# KiCad board solar-module-1u-si.kicad_pcb (continued)
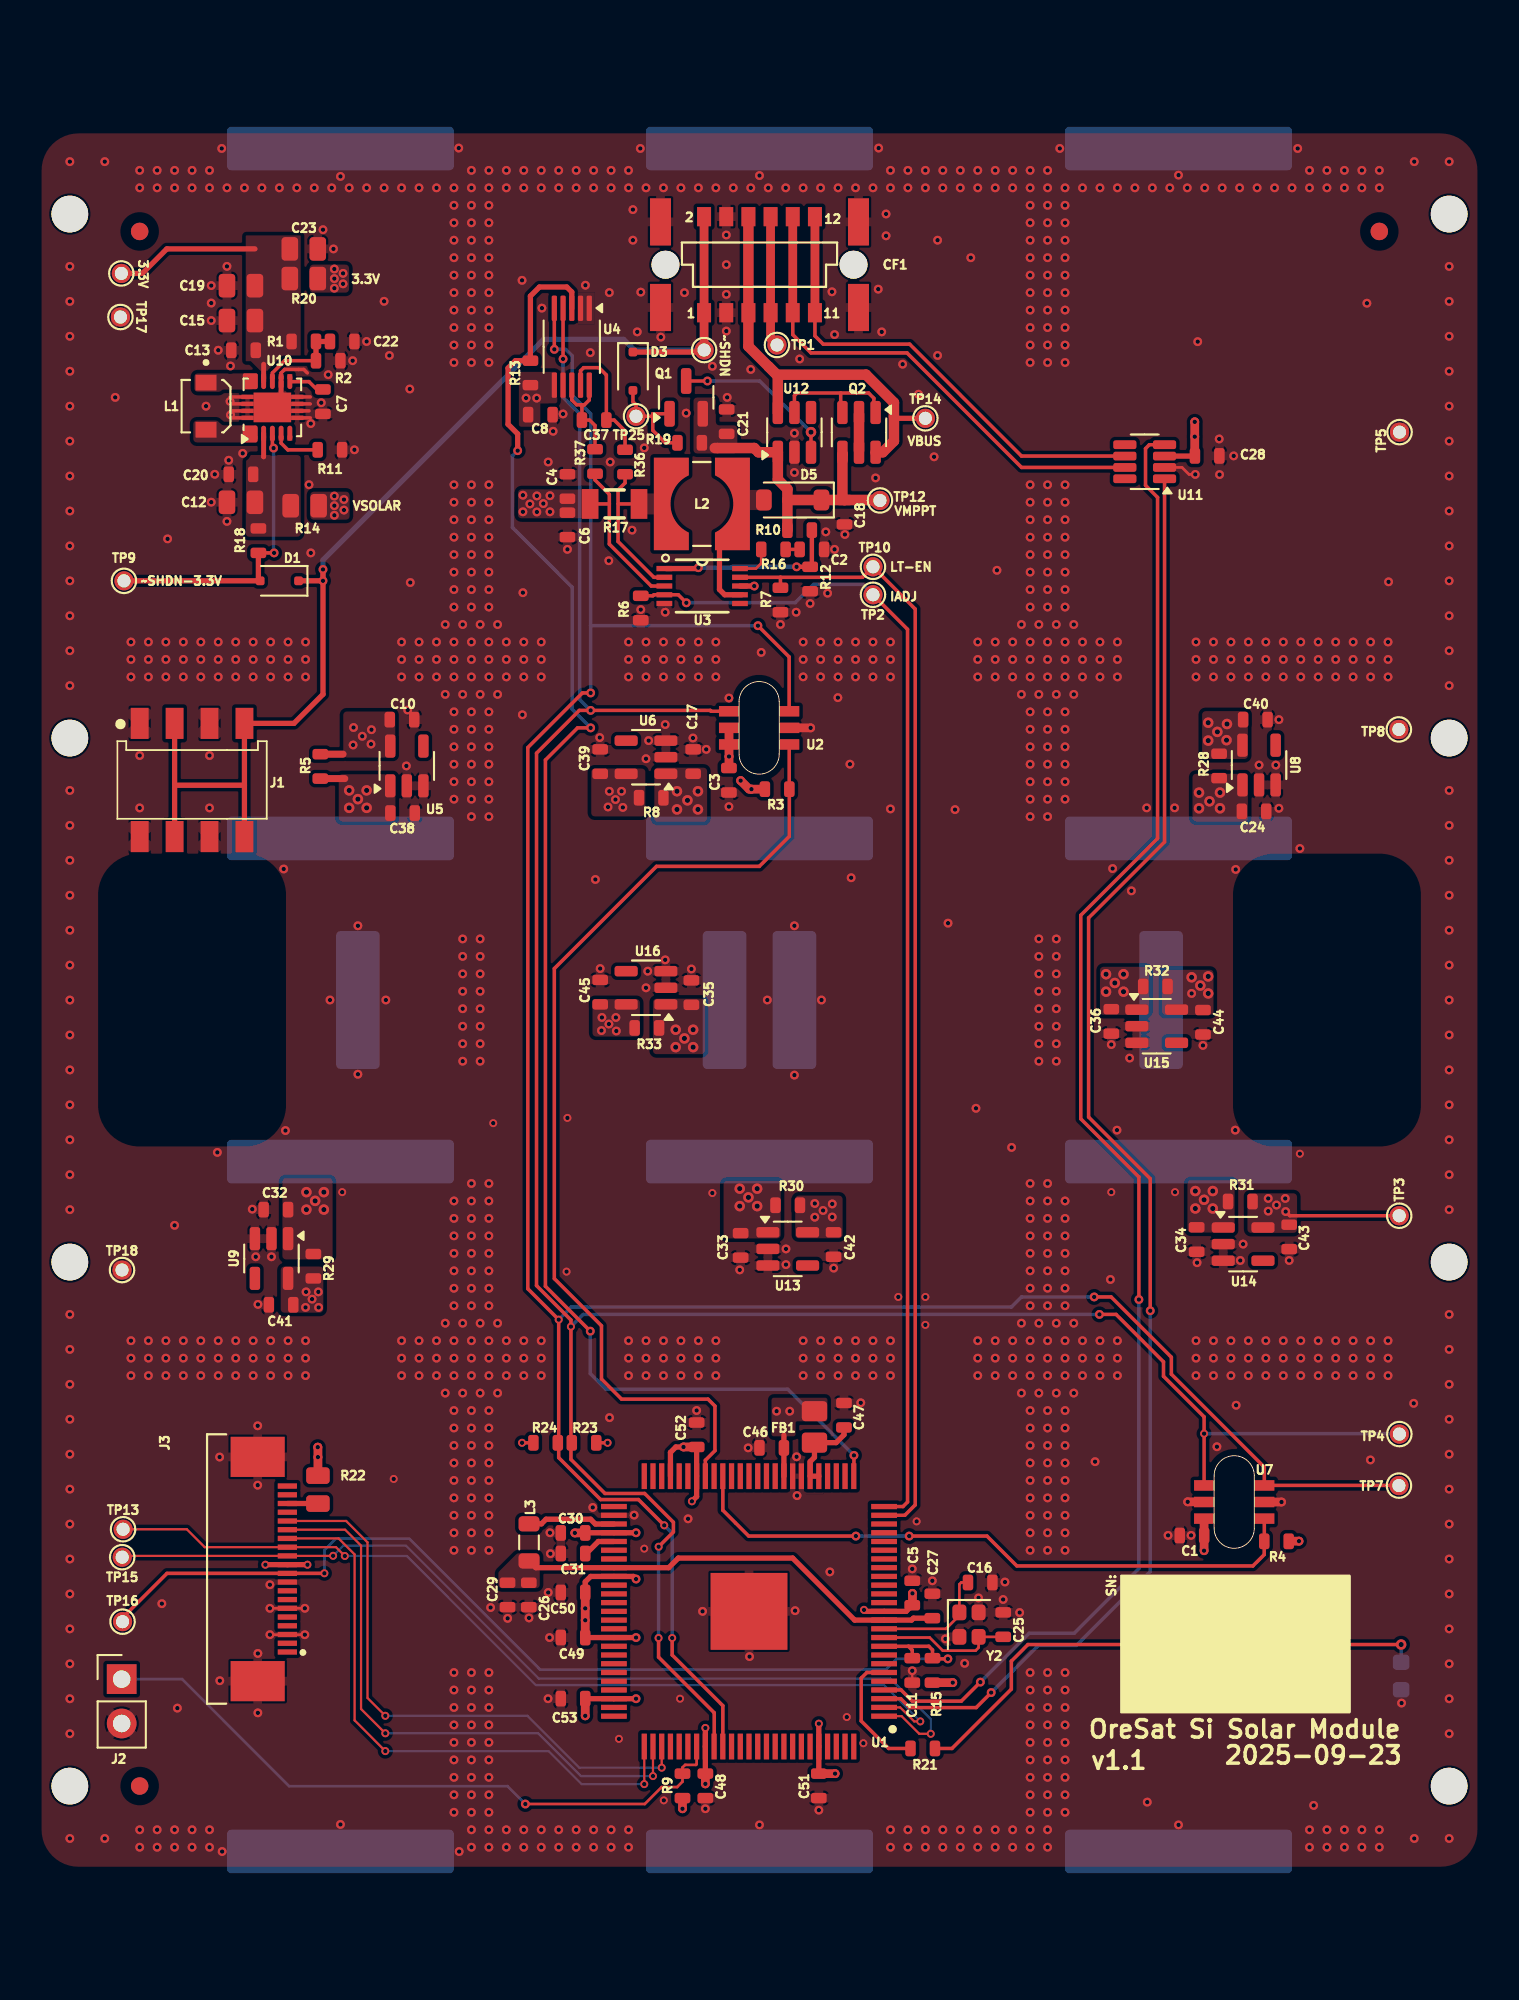
[diagram p0: board, top side]
## Routing (per net, layer and track width the routed paths; a pad name or vN(x,y) marks a point on that pad's centre or on a via; arc(x,y) is an arc through that point) (continued)
/MPPT and Power/TPS-VOUT-3.3V: length 9.2
  Top w0.28: U10.9 13.1,86.4
  Top w0.3: TP6.1 6.15,91.6 7.55,93 12.6,93
/MPPT and Power/VMPPT: length 16.4
  Top w0.6: C18.1 D5.1 43.1,78.63 43.1,78.62 ; C18.1 47.97,78.63 48,78.6 TP12.1 ; C18.1 46.25,78.75 46.25,81.23 46.27,81.25 ; C18.1 46.4,78.66 ; 38.94,81.6 41.2,81.6 41.44,81.36 U12.1 42.55,79.8 43.1,79.25 43.1,78.62 ; R10.2 43.1,78.62
/MPPT and Power/~{SHDN-3.3V}: length 17.1
  Top w0.2: v1(13.67,81.6) 13.6,81.67 U10.3 ; v1(13.7,75.6) R18.1
  Top w0.3: TP9.1 12.8,74 R18.1
  Bottom w0.2: v1(13.7,75.6) 13.67,75.63 v1(13.67,81.6)
/MPPT and Power/~{SHDN-OUPUT}: length 6.1
  Top w0.2: R19.1 36.1,81.9 35.39,82.61 35.39,83.42 ; 35.39,83.42 TP25.1 34.43,84.07 34.25,84.25 D3.2 ; 35.39,83.42 35.39,83.56 35.39,83.57 Q1.1
/MPPT and Power/~{SHUTDOWN}: length 70.9
  Top w0.2: 8.05,62.25 8,62.2 ; 8.05,62.25 8.1,62.3 ; 8.05,62.25 8,62.3
  Top w0.3: 8,62.2 J1.2B ; J1.2A 8,62.3 ; D3.1 38.22,87.1 TP11.1 ; J1.4B 12,62.3 ; 12,62.3 8.1,62.3 ; 12,62.3 J1.4A 14.84,65.84 16.5,67.5 16.5,74 15.2,74 ; v1(16.5,74.65) v1(16.5,74)
  Top w0.5: 38.32,87.2 TP11.1 38.33,87.22 CF1.1 CF1.2
  Bottom w0.3: v1(16.5,74) v1(16.5,74.65) 16.5,75.19 29.13,87.82 33.72,87.82 34.33,87.21 TP11.1
CANH: length 28.9
  Top w0.2: U11.7 56.51,80.49 49.95,87.05 44.45,87.05 43.41,88.09 CF1.9
  Top w0.5: CF1.10 CF1.9
CANL: length 27.4
  Top w0.2: CF1.11 44.67,88.03 45.15,87.55 50.1,87.55 56.51,81.14 U11.6
  Top w0.5: CF1.12 CF1.11
INA226-nALERT: length 89.4
  Top w0.2: U1.26 46.91,22.75 v1(46.91,23.93) ; v1(31.81,31.04) 29.24,33.61 29.24,63.74 31.08,65.58 v1(31.83,65.58)
  Top w0.3: v1(27.65,81.45) 27.65,82.41 27.1,82.96 27.1,86.18 27.52,86.6 R13.1 28.38,90.3 28.9,90.82 30.46,90.82 30.75,90.53 U4.3
  Bottom w0.2: v1(27.65,81.45) 27.35,81.15 27.35,77.05 30.77,73.63 30.77,66.64 v1(31.83,65.58) ; v1(46.91,23.93) 43.12,27.72 32.7,27.72 31.81,28.61 v1(31.81,31.04)
ISP-UART_RXD: length 54.6
  Top w0.127: U1.1 49.64,9 50.65,7.99 v3(51.31,7.99) ; TP15.1 5.07,18.18 J3.12 17.07,18.18 v3(17.08,18.18)
  Bottom w0.127: v3(17.08,18.18) 17.66,18.76 21.25,18.76 28.86,11.15 48.99,11.15 51.31,8.83 v3(51.31,7.99)
ISP-UART_TXD: length 52.6
  Top w0.127: U1.2 49.56,9.5 50.36,8.7 v3(50.71,8.7) ; v3(17.75,18.17) 17.24,18.68 J3.13 9.72,18.68 8.7,19.7 TP13.1
  Bottom w0.127: v3(50.71,8.7) 48.63,10.78 28.69,10.78 21.3,18.17 v3(17.75,18.17)
LT1618-ENABLE: length 65.2
  Top w0.2: R7.1 42.7,74.2 ; 42.7,74.2 47.4,74.2 TP10.1 50.42,72.38 50.42,21.1 49.82,20.5 U1.24 ; 42.7,74.2 U3.9
LT1618-IADJ: length 68.4
  Top w0.2: v1(37.31,72.74) 36.85,73.2 U3.4 35.45,73.2 35.39,73.14 R6.1 ; TP2.1 49.98,71.22 49.98,21.26 49.72,21 U1.25
  Bottom w0.2: TP2.1 47.4,73.8 44.6,73.8 43.55,72.75 41.97,72.75 41.96,72.76 41.54,72.76 41.53,72.75 37.32,72.75 v1(37.31,72.74)
SCL: length 160.8
  Top w0.2: v3(36.04,19.93) 34.57,21.4 32.4,21.4 30,23.8 v3(30,31.7) 28.23,33.47 28.23,64.45 31.36,67.58 v1(31.83,67.58) ; U1.85 39.4,9.6 36.5,12.5 v3(36.5,13.48) ; v1(29.75,87.25) U4.5 ; v1(41.41,71.43) 43.2,69.64 43.2,66.54 U2.1 ; v1(60.67,33) 61.64,33 65.09,29.55 65.09,28.58 70.41,23.26 U7.1 78.11,22.21 TP7.1
  Bottom w0.2: v3(36.5,13.48) 36.5,19.47 v3(36.04,19.93) ; 31.83,71.43 31.83,83.56 30.77,84.62 30.77,86.88 30.4,87.25 v1(29.75,87.25) ; 31.83,71.43 v1(41.41,71.43) ; 31.83,71.43 v1(31.83,67.58) ; v1(60.67,33) 56.51,33 55.93,32.42 30.72,32.42 v3(30,31.7)
SDA: length 153.4
  Top w0.2: U2.6 38.73,66.53 38.68,66.58 v1(31.83,66.58) 31.18,66.58 28.73,64.13 28.73,33.65 30.7,31.68 v3(30.7,31.3) 30.7,23.7 32.65,21.75 34.92,21.75 36.57,20.1 36.57,19.55 v3(35.72,18.7) ; v1(30.25,86.7) U4.4 ; U7.6 66.96,26.14 64.64,28.46 64.64,29.29 61.92,32 v1(60.97,32) ; v3(35.72,13.48) 35.72,12.38 38.91,9.19 38.91,7.28 U1.84
  Bottom w0.2: v3(35.72,13.48) 35.72,18.7 v3(35.72,18.7) ; v1(30.25,86.7) 30.25,84.5 31.2,83.55 31.2,67.21 v1(31.83,66.58) ; v3(66.96,25.18) 78.12,25.18 TP4.1 ; v3(30.7,31.3) 31.4,32 v1(60.97,32)
VSOLAR: length 18.3
  Top w0.2: U3.3 35.3,73.7 32.9,76.1 32.9,78.4 ; 32.9,78.4 32.9,78.95 32.08,79.77 R37.2 ; 32.9,78.4 R17.1 ; TP3.1 71.87,37.65 v1(71.64,37.89)
  Top w0.3: v1(41.2,73.7) U3.8
  Top w0.4: R5.2 17.65,64.08
  vias: v1(15.53,33.29) v1(15.5,32.4) v1(15.87,32.88) v1(16.23,33.29) v1(16.25,32.4) v1(17.15,78.85) v1(17.15,78.3) v1(17.15,77.75) v1(17.7,78.65) v1(17.7,78.05) v1(18.25,65.6) v1(18.22,64.6) v1(18.75,65.1) v1(19.25,64.65) v1(19.27,65.48) v1(27.95,78.9) v1(27.95,77.95) v1(28.35,78.4) v1(28.75,78.86) v1(28.75,77.94) v1(29.12,78.42) v1(29.5,78.87) v1(29.5,77.95) v1(32.45,48.25) v1(32.47,49) v1(32.82,61.05) v1(32.9,61.95) v1(32.87,48.63) v1(33.25,61.48) v1(33.27,49) v1(33.3,48.23) v1(33.6,61.95) v1(33.67,61.03) v1(44.67,38.35) v1(44.67,37.57) v1(45.14,37.95) v1(45.67,38.33) v1(45.67,37.58) v1(66.25,50.38) v1(70.64,38.64) v1(70.64,37.92) v1(71.11,38.27) v1(71.61,38.64) v2(66.25,51.3) v2(66.75,50.83) v2(67.2,65.88) v2(67.2,64.85) v2(67.2,51.35) v2(67.2,50.38) v2(67.72,65.35) v2(68.25,64.88) v2(68.27,65.8)
Net-(C2-Pad1): length 0.8
  Top w0.2: R16.1 C2.1
Net-(CF1-AUX-Pad7): length 7.5
  Top w0.2: TP1.1 42.14,87.87
  Top w0.5: 42.14,87.87 CF1.7 CF1.8
Net-(D2-A1): length 1.5
  Top w0.4: 17.75,62.68 R5.1 ; 20.4,60.7 20.35,60.75
  vias: v2(18,62) v2(18,61) v2(18.5,61.5) v2(19,62) v2(19,61)
Net-(D4-A): length 31
  Top w0.2: v2(78.25,13.1) 56.87,13.1 55.92,12.15 55.92,10.55 52.52,7.15 R21.2
  Bottom w0.2: v2(78.25,13.1) 78.25,12.18
Net-(D5-A): length 5.7
  Top w0.3: 40.49,73.2 39.51,73.2 39.21,73.5 39.21,76.65 40.02,77.46
Net-(D7-A1):
  vias: v2(36.77,61.95) v2(36.77,60.91) v2(37.37,61.43) v2(37.97,61.95) v2(37.97,60.91)
Net-(D8-A1):
  vias: v2(66.67,61.88) v2(66.67,60.98) v2(67.27,61.38) v2(67.87,61.88) v2(67.87,60.98)
Net-(D9-A1):
  vias: v2(15.55,39) v2(15.55,38) v2(16.05,38.5) v2(16.55,39) v2(16.55,38)
Net-(D10-A1): length 0.1
  Bottom w0.152: v2(40.87,38.7) 40.82,38.75
  vias: v2(40.37,39.2) v2(40.37,38.2) v2(41.37,39.2) v2(41.37,38.2)
Net-(D11-A1):
  vias: v2(66.46,39.07) v2(66.46,38.07) v2(66.96,38.57) v2(67.46,39.07) v2(67.46,38.07)
Net-(D12-A1):
  vias: v2(61.35,51.48) v2(61.35,50.48) v2(61.85,50.98) v2(62.35,51.48) v2(62.35,50.48)
Net-(D13-A1):
  vias: v2(36.7,48.3) v2(36.7,47.3) v2(37.2,47.8) v2(37.7,48.3) v2(37.7,47.3)
Net-(J2-Pin_1): length 38.3
  Top w0.152: U1.82 37.9,6.25 37.86,6.21 37.24,6.21 37.09,6.06 R9.1 37.09,5.25 36.78,4.94 35.9,4.94 34.93,3.97 v1(28.09,3.97)
  Bottom w0.152: J2.1 8.43,11.12 14.56,4.99 27.07,4.99 v1(28.09,3.97)
Net-(J3-DEBUG-1): length 1.8
  Top w0.3: J3.18 16.2,21.18 R22.1
Net-(Q1-D): length 9.4
  Top w0.2: v1(38.52,85.44) 37.4,85.44 ; v2(44.45,82.51) 44.45,82.35 44.45,82.35 U12.3
  Bottom w0.2: v2(44.45,82.51) 44.44,82.51 41.51,85.44 v1(38.52,85.44)
Net-(Q2A-G): length 7.9
  Top w0.2: 48.05,83.64 48.05,84.45 47.75,84.75 46.15,84.75 ; U12.5 43.5,84.61 43.65,84.75 46.15,84.75 ; 46.15,83.64 46.15,84.75 ; 43.45,83.35 43.45,83.64
Net-(Q2A-S): length 2.1
  Top w0.6: 47.2,81.46 47.2,83.54
Net-(U1A-DCDC_LX): length 5.1
  Top w0.3: U1.53 32.1,20 31.82,20.28 29.27,20.28 29.01,20.01 L3.2
Net-(U1C-P1_13): length 7.4
  Top w0.2: U1.6 47.65,11.5 47.32,11.18 47.32,8.73 48.9,7.15 R21.1
Net-(U1C-P1_30): length 7.8
  Top w0.152: U1.10 51.25,13.5 52,12.75 53.87,12.75 54.05,12.93 Y2.3 C25.1
Net-(U1C-P1_31): length 6.9
  Top w0.152: U1.11 52.18,14 52.95,14.77 Y2.1 52.95,16.55 53.05,16.66 C16.1
Net-(U3-FB): length 10.5
  Top w0.25: R10.1 44.5,74.9 R12.2 v1(43.62,74.8)
  Top w0.3: 38.05,74.75 38,74.7 36.15,74.7
  Bottom w0.25: v1(38,74.75) 39.9,74.75 39.95,74.8 v1(43.62,74.8)
Net-(U3-ISN): length 8.7
  Top w0.2: R36.1 33.8,79.6 33.4,79.2 33.4,76.25 35.45,74.2 U3.2 ; R17.2 33.4,78.4
Net-(U3-VC): length 2.1
  Top w0.152: U3.10 41.3,74.7 41.6,75 R16.2
Net-(U4-Vbus): length 6.1
  Top w0.2: 31.25,84.08 31.47,84.08 31.75,84.35 U4.10 ; 31.25,84.08 31.02,84.08 30.75,84.35 U4.8 ; 31.25,84.08 31.33,84 C37.1 31.77,83.2 32.08,82.89 R37.1
Net-(U4-Vin-): length 7.5
  Top w0.2: R36.2 33.8,82.58 33.18,83.2 C37.2 32.73,85.78 32.31,86.2 31.43,86.2 31.25,86.02 U4.9
Net-(U10-FB): length 5.2
  Top w0.2: U10.8 13.6,85.9 14.3,86.6 R2.2
  Top w0.3: C22.1 R1.1 R2.2
Net-(U10-PS/SYNC): length 2.8
  Top w0.2: U10.4 14.1,81.88 14.48,81.5 16.19,81.5 R11.2
Net-(U10-VAUX): length 1.7
  Top w0.2: 16.1,85 15.7,85.41 U10.6
Net-(U10-VIN): length 1.8
  Top w0.2: 12.8,78.4 12.7,78.5
  Top w0.28: 12.5,78.6 C12.1 ; 13.1,81.1 13.1,81.1 U10.2 ; 14.8,78.45 R14.1
Net-(U11-RXD): length 86.8
  Top w0.2: v1(63.23,32.85) 63.23,39.87 59.9,43.2 59.9,54.85 64.3,59.25 64.3,78.78 63.61,79.47 63.61,81.57 63.83,81.79 U11.4 ; U1.4 49.61,10.5 50.25,9.86 53.06,9.86 v1(54.15,10.95)
  Bottom w0.2: v1(54.15,10.95) 56.95,13.75 59.53,13.75 63.23,17.45 v1(63.23,32.85)
Net-(U11-TXD): length 84.5
  Top w0.2: v1(54.77,10.35) 53.91,9.49 50.1,9.49 49.59,10 U1.3 ; v1(63.88,32.21) 63.88,39.77 60.35,43.3 60.35,54.7 64.7,59.05 U11.1
  Bottom w0.2: v1(63.88,32.21) 63.88,17.28 59.65,13.05 57.47,13.05 v1(54.77,10.35)

## Copper pours and planes (outline as drawn; the poured copper is in the pictures)
+3.3V on Top: 45.39,27.23 45.39,25.88 43.63,25.88 43.57,25.82 43.57,25.03 43.56,25.02 42.19,25.02 42.19,27.29 42.13,27.23
+3.3V on Top: 27.72,85.96 29.92,85.96 29.92,84.15 28.95,84.15 28.95,82.82 27.72,82.82
+3.3V on Top: 17.99,90.5 15.74,90.5 15.74,92.1 17.99,92.1
+3.3V on In2.Cu: 4.02,3.54 4.02,95.61 78.97,95.61 78.97,3.54
GND on Top: 44.16,23.71 45.16,23.71 45.16,21.71 44.16,21.71
GND on Top, Bottom: 31.1,90.52 32.07,90.52 32.07,88.69 31.1,88.69
GND on Top, Bottom, In1.Cu, In2.Cu: 83,100 83,0 0,0 0,100
VDD_CORE on Top: 28.91,16.33 26.54,16.33 26.54,17.25 27.62,18.33 28.91,18.33
/MPPT and Power/TPS-VOUT-3.3V on Top: 15.23,86.02 12.92,86.02 12.37,86.57 12.07,86.57 12.07,93.78 15.23,93.78
/MPPT and Power/VMPPT on Top: 37.72,84.49 39,84.49 39,82.9 40.23,82.9 40.23,81.29 37.72,81.29
VSOLAR on Top, Bottom, In2.Cu: 18.02,77.5 15.77,77.5 15.77,79.11 18.02,79.11
VSOLAR on Top, Bottom, In2.Cu: 32.26,77.58 27.66,77.58 27.67,79.24 32.26,79.23
VSOLAR on Top, In2.Cu: 64.55,51.73 67.5,51.73 67.5,49.14 64.55,49.14
VSOLAR on Top, In2.Cu: 69.45,38.94 72.29,38.94 72.29,36.67 69.45,36.67
VSOLAR on Top, In2.Cu: 31.86,63.25 34.96,63.25 34.96,60.51 31.86,60.51
VSOLAR on Top, In2.Cu: 31.93,47.91 31.93,50.05 34.65,50.05 34.65,47.91
VSOLAR on Top, In2.Cu: 66.85,66.54 69.47,66.54 69.47,63.8 66.85,63.8
VSOLAR on Top, In2.Cu: 43.54,36.36 43.54,38.8 46.26,38.8 46.26,36.36
VSOLAR on Top, In2.Cu: 17.66,66.52 20.63,66.52 20.64,63.88 17.66,63.88
VSOLAR on Top, In2.Cu: 14.08,34.74 16.52,34.74 16.52,32.1 14.08,32.1
VSOLAR on In2.Cu: 22.63,37.17 22.64,31.89 14,31.88 14,39.6 17.05,39.6 17.05,76.5 15.7,76.5 15.7,79.5 41.86,79.5 41.87,67.03 69.74,66.93 69.74,59.9 67.6,59.9 67.6,40.3 72.37,40.3 72.37,37.11
Net-(D2-A1) on Top, Bottom: 20.65,60.23 17.4,60.23 17.4,62.93 20.65,62.93
Net-(D5-A) on Top: 40.3,79.2 42.13,79.2 42.13,78.05 40.3,78.05
Net-(D7-A1) on Top, Bottom: 38.5,60.2 35.47,60.2 35.47,63.3 38.5,63.3
Net-(D8-A1) on Top, Bottom: 66.3,62.95 69.47,62.95 69.47,60.23 66.3,60.23
Net-(D9-A1) on Top, Bottom: 14.17,39.8 17.05,39.8 17.05,35.15 14.17,35.15
Net-(D10-A1) on Top, Bottom: 39.44,36.35 39.44,39.65 42.72,39.65 42.72,36.35
Net-(D11-A1) on Top, Bottom: 66.01,39.69 68.71,39.69 68.71,36.69 66.01,36.69
Net-(D12-A1) on Top, Bottom: 61,49.15 61,51.9 63.82,51.9 63.82,49.15
Net-(D13-A1) on Top, Bottom: 35.4,46.9 35.4,50.08 38.37,50.08 38.37,46.9
Net-(U3-ISN) on Top: 34.2,79 36.4,79 36.4,77.8 34.2,77.8
Net-(U10-L1) on Top: 10.75,82.9 12.75,82.9 12.75,81.92 9.07,81.92 9.07,83.18 10.43,83.18
Net-(U10-L2) on Top: 12.78,84.95 10.75,84.95 10.6,84.82 9.12,84.82 9.12,85.88 12.78,85.88
Net-(U10-VIN) on Top: 15.23,76.52 12.07,76.52 12.1,81.2 15.23,81.2

## Text on the board
B.Silkscreen: 3.3V | GND | BOOT | RX | RST | TX | SDA | SCL | ~SHDN-3.3V | VSOLAR | ${ISSUE_DATE} | OreSat Solar Module Si MCXN v${REVISION}
F.Fab: CAUTION! No component may be >= 2.0 mm on the front side due to frame height. | CAUTION! See User.Draiwings for components < 0.7 mm height in circles
F.Silkscreen: ~SHDN-3.3V | 3.3V | VSOLAR | LT-EN | IADJ | VMPPT | VBUS | SN: | ~SHDN | OreSat Si Solar Module | v${REVISION} | ${ISSUE_DATE}
